# Allegro board 1156197-TDI_VU3P_QSFP28_CXP_V001_1023A-166-20241121_1644_PCB.brd (continued)
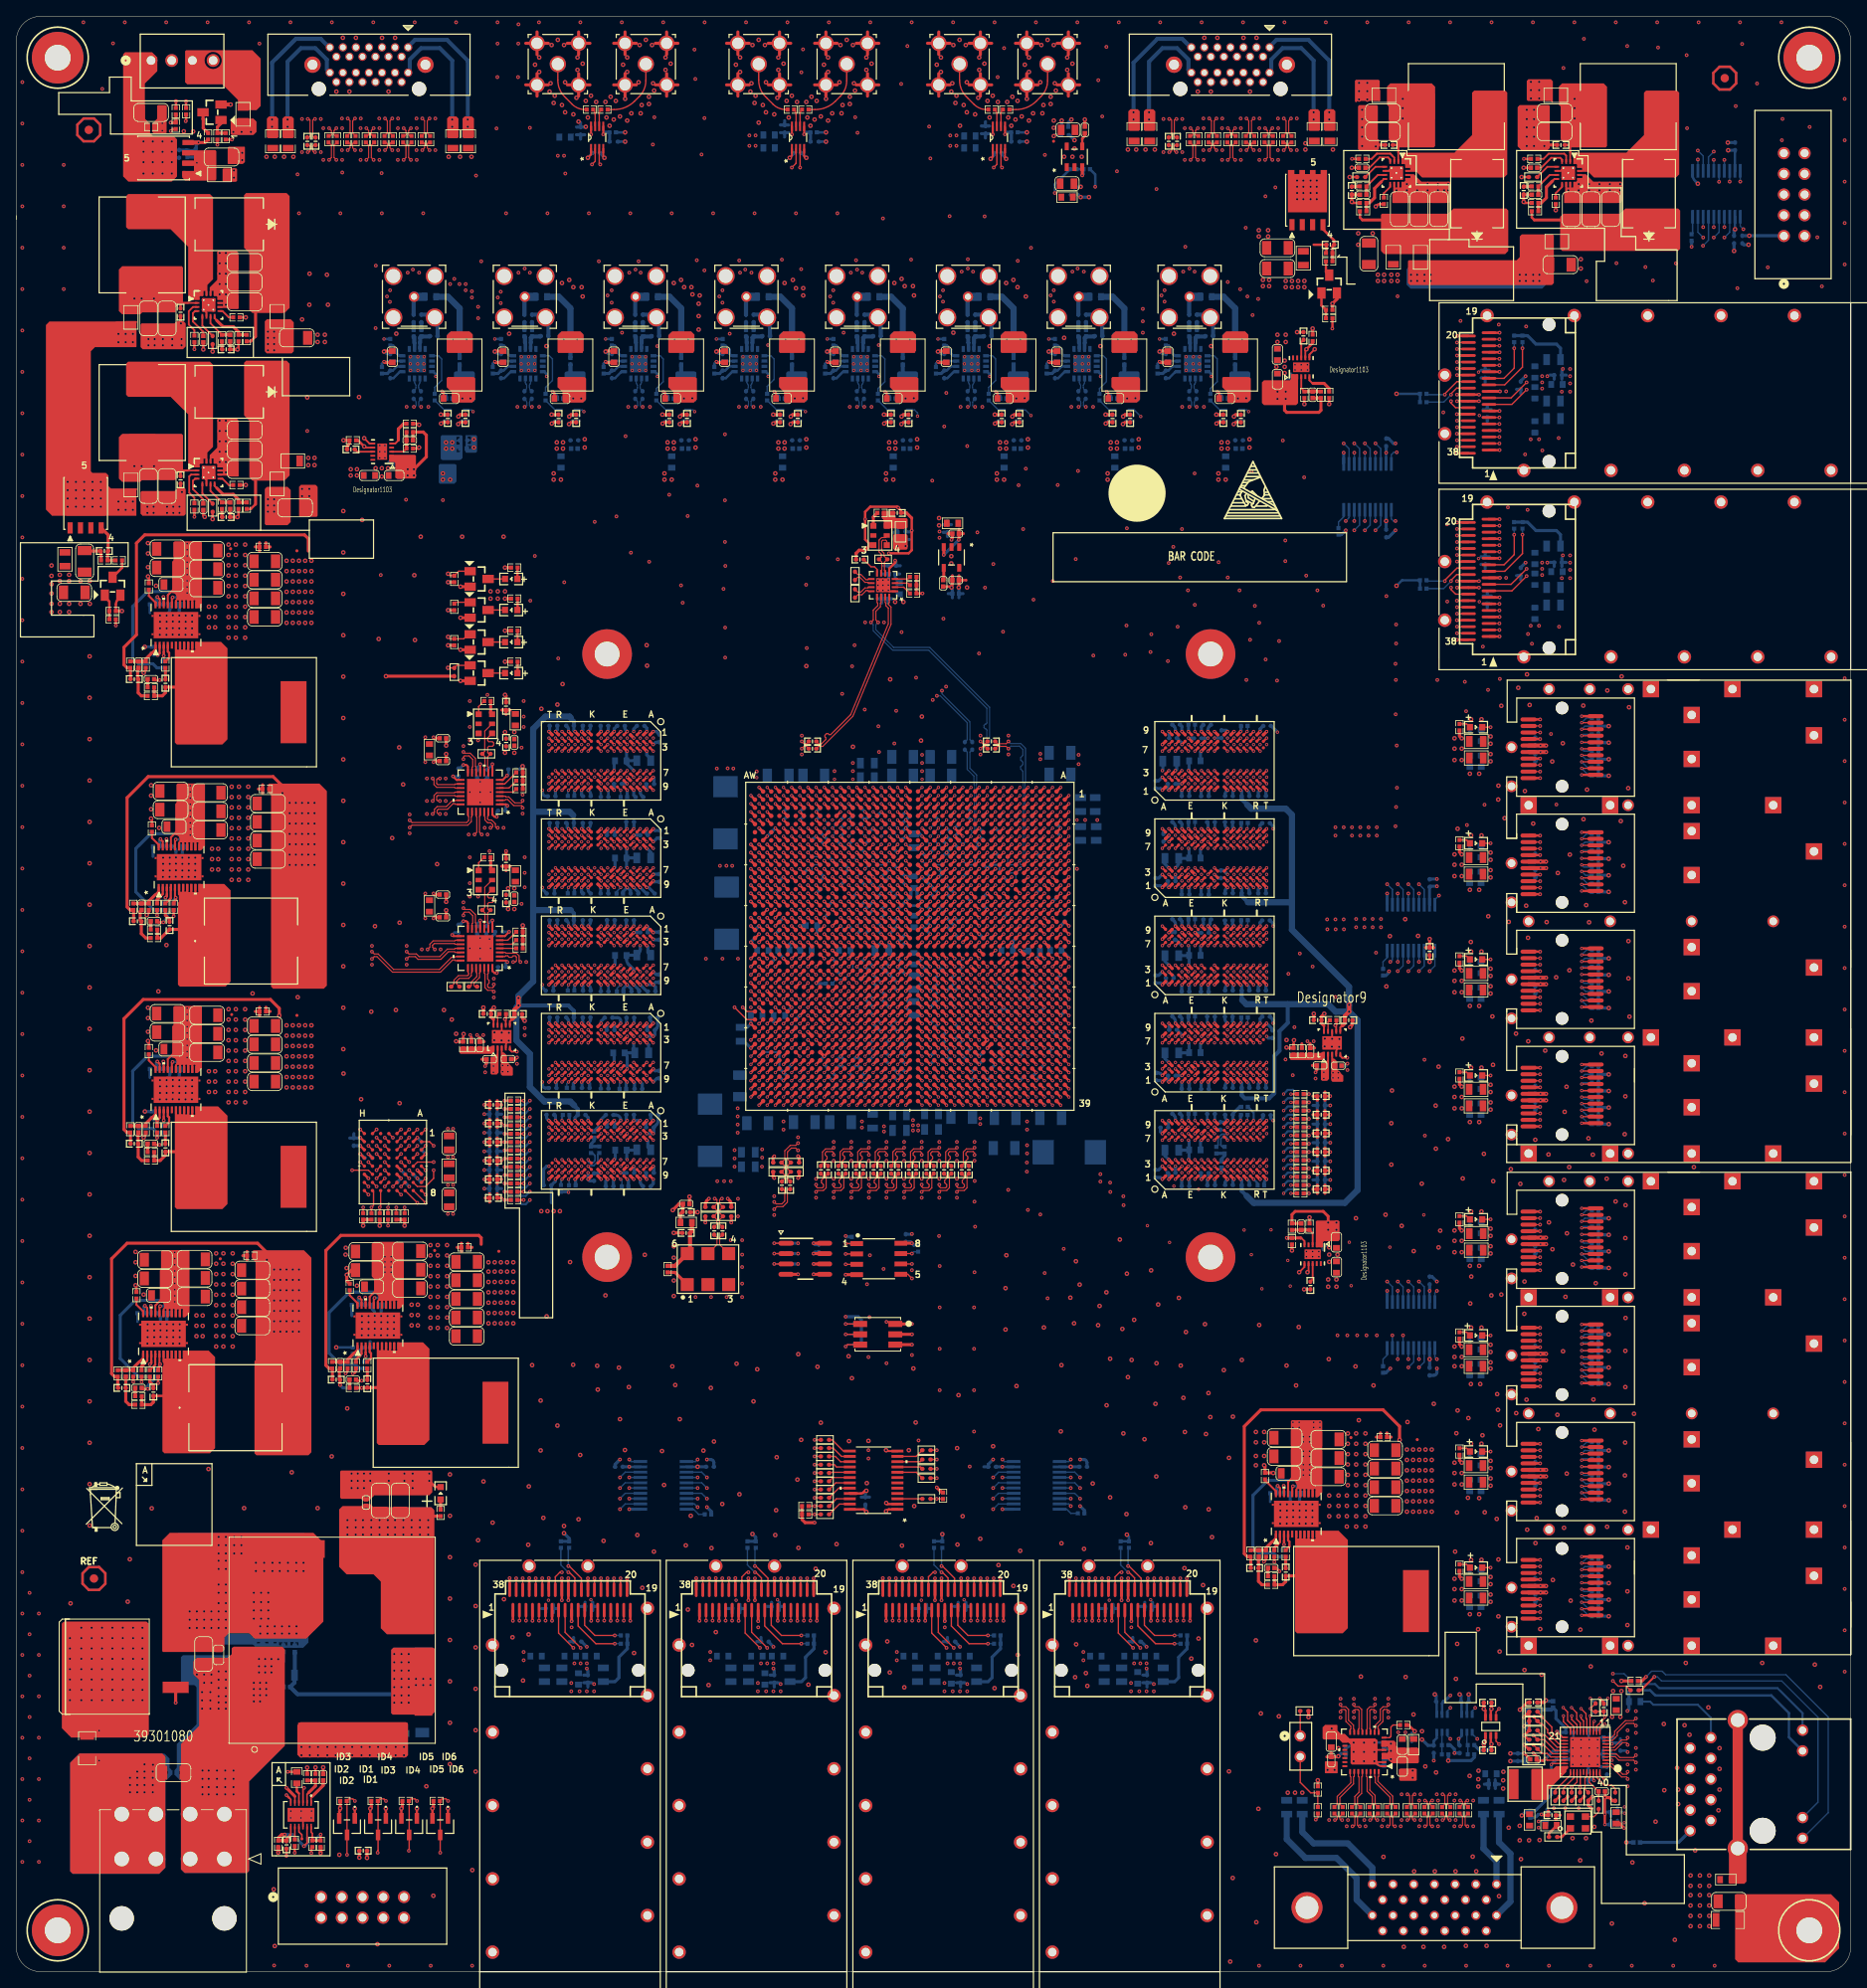
[diagram p0: board, top side]
## Copper pours and planes (outline as drawn; the poured copper is in the pictures) (continued)
N29778940 on TOP (solid shape): 151.12,200.93 151.12,198.92 150.92,198.72 148.03,198.72 147.91,198.83 147.91,200.84 148.41,201.34 150.72,201.34
N29778940 on BOTTOM (solid shape): 151.02,200.96 151.02,199.32 150.74,199.03 148.24,199.03 147.97,199.3 147.97,200.97 148.22,201.22 150.76,201.22
N29778954 on BOTTOM (solid shape): 145.57,206.01 145.57,205.15 145.49,205.07 143.63,205.07 143.44,205.26 143.44,205.92 143.61,206.09 145.49,206.09
N29788064 on TOP (solid shape): 182.88,230.63 182.88,220.6 182.5,220.22 172.42,220.22 171.73,220.9 170.41,220.9 170.36,220.95 170.36,221.11 170.38,221.13 170.94,221.13 170.97,221.16 170.97,221.36 170.92,221.41 170.41,221.41 170.36,221.46 170.36,221.77 170.26,221.87 169.93,221.87 169.9,221.89 169.9,223.11 170.05,223.27 176.4,223.27 178.56,225.43 178.56,230.63 178.82,230.89 182.63,230.89
N29788120 on TOP (solid shape): 203.96,230.63 203.96,220.6 203.58,220.22 193.5,220.22 192.81,220.9 191.49,220.9 191.44,220.95 191.44,221.11 191.47,221.13 192.02,221.13 192.05,221.16 192.05,221.36 192,221.41 191.49,221.41 191.44,221.46 191.44,221.77 191.34,221.87 191.01,221.87 190.98,221.89 190.98,223.11 191.13,223.27 197.49,223.27 199.64,225.43 199.64,230.63 199.9,230.89 203.71,230.89
N29803483 on TOP (solid shape): 137.79,228.35 137.79,226.06 137.67,225.93 136.53,225.93 136.4,226.06 136.4,228.35 136.65,228.6 137.54,228.6
N29803484 on TOP (solid shape): 139.7,228.35 139.7,226.06 139.57,225.93 138.43,225.93 138.3,226.06 138.3,228.35 138.56,228.6 139.45,228.6
N29803489 on TOP (solid shape): 161.8,228.35 161.8,226.06 161.67,225.93 160.53,225.93 160.4,226.06 160.4,228.35 160.66,228.6 161.54,228.6
N29803490 on TOP (solid shape): 159.89,228.35 159.89,226.06 159.77,225.93 158.62,225.93 158.5,226.06 158.5,228.35 158.75,228.6 159.64,228.6
N29807250 on TOP (solid shape): 56.13,227.46 56.13,225.17 56.01,225.04 54.86,225.04 54.74,225.17 54.74,227.46 54.99,227.71 55.88,227.71
N29807267 on TOP (solid shape): 54.23,227.46 54.23,225.17 54.1,225.04 52.96,225.04 52.83,225.17 52.83,227.46 53.09,227.71 53.98,227.71
N29808008 on TOP (solid shape): 32.13,227.46 32.13,225.17 32,225.04 30.86,225.04 30.73,225.17 30.73,227.46 30.99,227.71 31.88,227.71
N29808025 on TOP (solid shape): 34.04,227.46 34.04,225.17 33.91,225.04 32.77,225.04 32.64,225.17 32.64,227.46 32.89,227.71 33.78,227.71
N29863451 on BOTTOM: 95.38,225.68 95.38,224.74 93.98,223.34 92.84,223.34 92.71,223.47 92.71,225.81 92.84,225.93 95.12,225.93
N29863699 on BOTTOM: 120.02,225.68 120.02,224.74 118.62,223.34 117.47,223.34 117.35,223.47 117.35,225.68 117.47,225.81 119.89,225.81
N29864503 on BOTTOM: 70.48,224.28 70.87,224.66 70.87,225.55 70.61,225.81 67.69,225.81 67.56,225.68 67.56,224.66 67.94,224.28
N29910847 on TOP: 9.37,177.95 9.47,177.85 9.47,173.96 9.25,173.74 4.19,173.74 3.94,173.99 3.94,177.8 4.09,177.95
N29910865 on TOP (solid shape): 14.75,202.54 14.8,202.51 14.79,202.45 14.73,202.39 14.73,199.49 12.27,199.49 12.14,199.62 12.14,202.41 12.27,202.54
N29910865 on TOP (solid shape): 14.82,202.48 14.73,202.39 14.73,199.39 9.65,199.39 9.14,198.88 9.14,184.15 9.33,183.96 10.99,183.96 11.3,183.64 11.3,182.35 11.61,182.04 14.78,182.04 14.87,181.96 14.73,181.82 14.73,178.69 4.39,178.69 3.63,179.45 3.63,202.11 4.06,202.54 14.76,202.54
N29910865 on ART14: 14.61,181.61 14.61,179.2 14.48,179.07 6.1,179.07 5.71,179.45 5.71,199.39 8,201.68 14.1,201.68 14.61,201.17 14.61,199.26 13.46,198.12 13.46,182.75
N29938726 on TOP: 159.26,215.14 159.38,215.01 159.38,210.82 159.26,210.69 155.45,210.69 155.32,210.82 155.32,214.88 155.57,215.14
N29938744 on TOP (solid shape): 188.47,232.03 188.47,229.49 188.39,229.41 188.37,229.41 188.17,229.62 185.39,229.62 185.27,229.74 185.27,232.08 185.47,232.28 188.21,232.28
N29938744 on TOP (solid shape): 167.23,232.08 167.23,229.59 167.2,229.55 167.15,229.56 167.09,229.62 164.51,229.62 164.31,229.42 164.19,229.54 164.19,232.08 164.31,232.21 167.11,232.21
N29938744 on TOP: 155.45,216.28 155.45,221.11 155.7,221.36 160.91,221.36 161.16,221.11 161.16,216.28 160.78,215.9 155.83,215.9
N29938744 on ART03: 156.59,221.36 156.59,217.55 156.97,217.17 166.37,217.17 167.39,218.19 167.39,222.5 169.04,224.16 169.04,229.74 170.05,230.76 182.37,230.76 183.64,229.49 187.45,229.49 187.96,230 187.96,235.71 186.21,237.46 161.21,237.46 158.37,234.62 158.37,223.14
N29938744 on ART07: 156.59,221.36 156.59,216.15 157.35,215.39 167.77,215.39 168.28,215.9 168.28,221.62 169.04,222.38 169.04,229.74 170.05,230.76 182.37,230.76 183.64,229.49 187.45,229.49 187.96,230 187.96,235.71 187.45,236.22 162.56,236.22 161.54,235.2 161.54,230.5 159.77,228.73 159.77,224.54
N29938744 on ART14: 168.78,225.81 168.78,229.87 169.67,230.76 182.37,230.76 183.64,229.49 186.94,229.49 187.2,229.74 187.2,235.2 186.31,236.09 164.08,236.09 162.05,234.06 162.05,226.82 159.7,224.47 159.7,222.82 156.84,219.96 156.84,216.28 157.35,215.77 165.48,215.77 166.24,216.53 166.24,217.17 167.77,218.69 167.77,224.79
N29938744 on ART16: 156.59,221.36 156.59,216.79 156.84,216.53 161.93,216.53 162.43,217.04 162.43,222.76 163.77,224.09 163.77,228.92 164.34,229.49 166.62,229.49 167.89,230.76 182.37,230.76 183.64,229.49 186.94,229.49 187.2,229.74 187.2,233.43 186.82,233.81 163.83,233.81 159.77,229.74 159.77,224.54

Small or netless copper shapes (teardrops, artwork), in the pictures only: 24 on TOP

## Text on the board
Ref Des/Silkscreen Bottom: B | A
User.Comments: CR_0.1_2 | CR_6_1 | CR_10_1 | CR_1_4 | CR_2.3_1 | CR_4_3 | CR_5_9 | CR_2_1 | CR_0.1_5 | CR_0.1_6 | CR_1_10
Ref Des/Silkscreen Top: A | ID2 | ID3 | ID1 | ID4 | ID5 | ID6
DIMENSION: HTE | HPLV | RTF | If not use it,please delete it before you gerber out | If the angle of PCB board outline is right angle,please use this kind of break out area | AS usual,please use the 0.3MM stamp Via | AS usual,please use the 0.8MM stamp Via
User.13: FIGURE | SIZE | 8.0 | 10.0 | 28.0 | 30.0 | 35.0 | 35.4 | 37.4 | 39.0 | 41.0 | 41.3 | 42.0 | 48.0 | 55.0 | 59.0 | 66.9 | 67.0 | 70.87 | 110.0 | 120.0 | 125.0 | 61.0 | 63.0 | 69.0 | 118.11 | 126.0 | DRILL CHART: TOP to BOTTOM | ALL UNITS ARE IN MILS | TOLERANCE | +3.0/-3.0 | +2.0/-2.0 | PLATED | NON-PLATED | QTY | 5054 | 2489 | 78 | 8 | 2 | 14 | 40 | 20 | 72 | 52 | 4 | 24 | 6 | 32 | 16 | 12
User.16: NOTES: | - DRILL SIZES LISTED IN LEGEND | ARE CONSIDERED FINISHED. | - VENDOR IS REQUIRED TO SELECT | TOOLING FOR OVERDRILLING. | - LEGEND DOES NOT SPECIFY DEPTH | INTO ADJACENT DIELECTRIC LAYER. | FIGURE | SIZE | 8.0 | BACKDRILL: BOTTOM to GND15 | ALL UNITS ARE IN MILS | TOLERANCE | +3.0/-3.0 | PLATED | QTY | 128
User.18: NOTES: | - DRILL SIZES LISTED IN LEGEND | ARE CONSIDERED FINISHED. | - VENDOR IS REQUIRED TO SELECT | TOOLING FOR OVERDRILLING. | - LEGEND DOES NOT SPECIFY DEPTH | INTO ADJACENT DIELECTRIC LAYER. | FIGURE | SIZE | 8.0 | BACKDRILL: TOP to GND15 | ALL UNITS ARE IN MILS | TOLERANCE | +3.0/-3.0 | PLATED | QTY | 16
